# Altium PCB PCB.PcbDoc (continued)
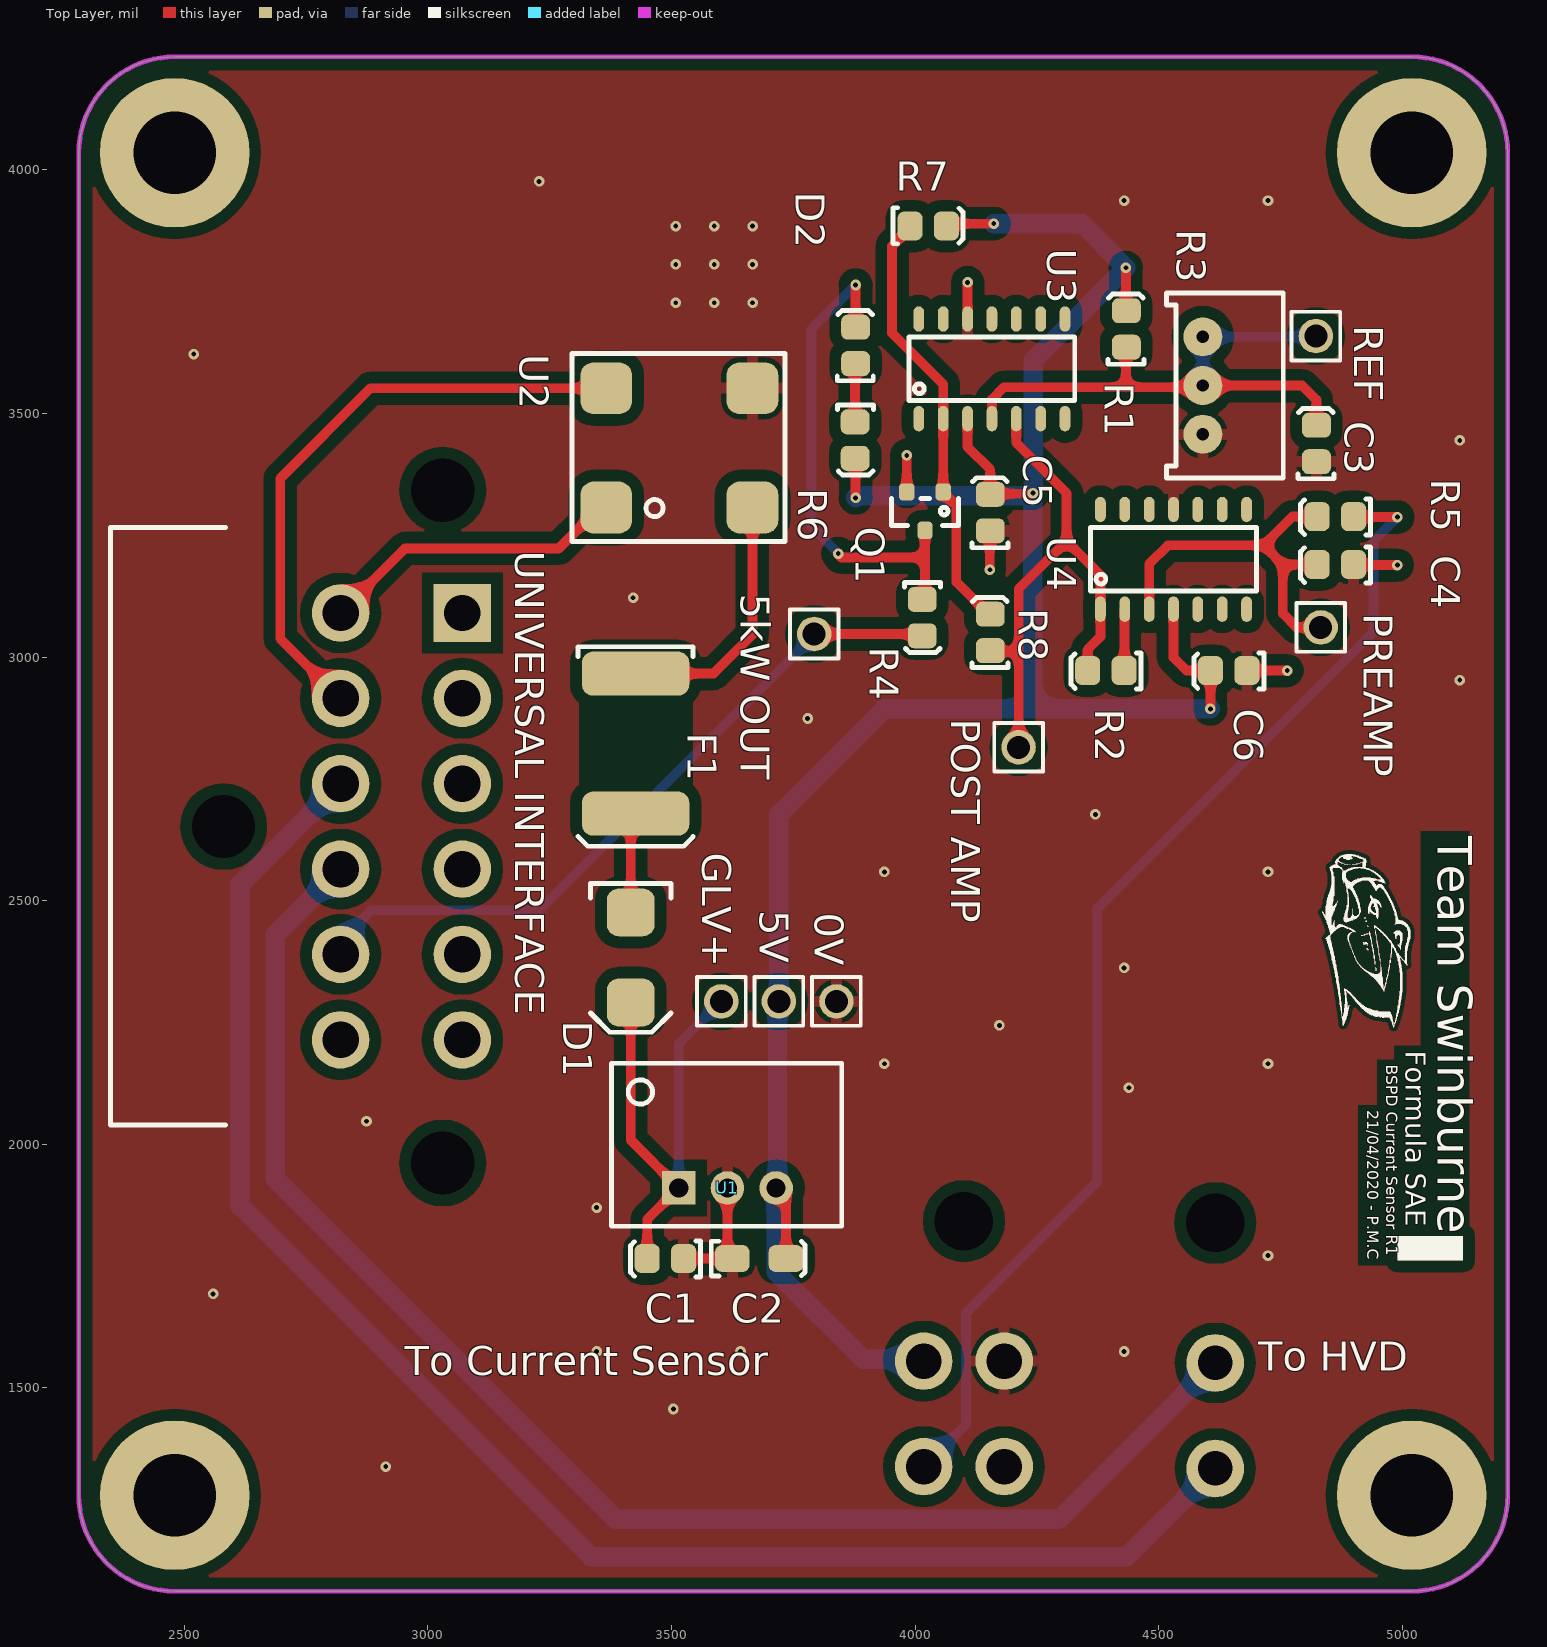
[diagram p0: Top Layer view]
## Nets (pads, with @x,y where several pads share a name; then routed paths per layer and width w, separated by ;. In a path a pad name is that pad's centre, name@x,y a point inside that pad or via, vN(x,y) a via of type N, cw(c..) or ccw(c..) an arc to the next point about the centre after c; other vN are vias at no path point) (continued)
"Green In": "To HVD.2" "UNIVERSAL INTERFACE.10" | length 3327.2
  Bottom Layer w40: 2820.87,2740.16 2614.17,2533.46 2614.17,1874.02 3334.65,1153.54 4435.04,1153.54 4616.14,1334.65
"Green Out": "To HVD.1" "UNIVERSAL INTERFACE.9" | length 3042.8
  Bottom Layer w40: 2820.87,2564.96 2687.01,2431.1 2687.01,1929.13 3385.83,1230.32 4295.28,1230.32 4616.14,1551.18
"High Sensitivity": "To Current Sensor.2" R5.1 | length 2442.1
  Top Layer w20: R5.1 4901.11,3287.4 v1(4990.16,3287.4)
  Bottom Layer w20: 4017.72,1338.58 4104.33,1425.2 4104.33,1653.54 4374.02,1923.23 4374.02,2484.25 4940.94,3051.18 4940.94,3238.19 v1(4990.16,3287.4)
"Low Sensitivity": "To Current Sensor.4"
NetC1_2: C1.2 D1.K GLV+.1 U1.1 | length 1012.2
  Top Layer w20: D1.K 3416.46,2008.98 U1.1 3450.08,1845.75 C1.2
  Bottom Layer w20: U1.1 3514.88,2205.83 GLV+.1
NetC3_2: C3.2 R1.1 R3.1 R3.2 REF.1 U3.4 | length 1197
  Top Layer w20: U3.4 4157.8,3529.05 4182.8,3554.05 4432.8,3554.05 ; R1.1 4432.8,3635.15 4432.8,3554.05 ; C3.2 4823.83,3528.02 4794.4,3557.45 R3.2 4587.4,3554.05 4432.8,3554.05
  Bottom Layer w20: R3.2 R3.1 4821.19,3657.45 REF.1
NetC4_2: C4.2 PREAMP.1 R5.2 U4.3 | length 793.8
  Top Layer w20: U4.3 4480.47,3191.1 4518.75,3229.38 4715.6,3229.38 ; C4.2 4754.97,3190.01 ; R5.2 4774.65,3288.43 4715.6,3229.38 ; PREAMP.1 4783.46,3061.02 4754.97,3089.52 4754.97,3190.01 ; 4715.6,3229.38 4754.97,3190.01
NetD1_A: D1.A F1.2 | length 206.7
  Top Layer w20: D1.A 3416.46,2668.74 F1.2
NetD2_A: D2.A R6.1 | length 120
  Top Layer w20: R6.1 3876.92,3601.33 D2.A
NetD2_K: D2.K Q1.D R4.1 | length 1024.5
  Top Layer w20: v1(3842.52,3212.6) 3842.52,3210.58 3848.38,3204.72 4020.39,3204.72 ; D2.K v1(3877.95,3763.78) ; R4.1 4020.39,3124.26 4020.39,3204.72 ; Q1.D 4020.39,3204.72
  Bottom Layer w20: v1(3842.52,3212.6) 3787.4,3267.72 3787.4,3673.23 v1(3877.95,3763.78)
NetF1_1: F1.1 U2.2 | length 533.8
  Top Layer w20: F1.1 3586.22,2966.14 3666.14,3046.06 U2.2
"NetPOST AMP_1": "POST AMP.1" R2.2 R8.1 U3.5 U4.1 | length 1121.9
  Top Layer w20: R8.1 4156.07,3011.81 4212.6,3011.81 ; U3.5 4207.8,3439.84 4311.02,3336.61 4311.02,3238.19 ; 4212.6,2814.96 4212.6,3011.81 ; R2.2 4354.33,3015.75 4380.47,3041.89 U4.1 4380.47,3168.74 4311.02,3238.19 ; 4212.6,3011.81 4212.6,3139.76 4311.02,3238.19
NetQ1_G: Q1.G R7.1 R8.2 U3.2 | length 897.9
  Top Layer w20: R7.1 3989.69,3880.86 3952.76,3843.92 3952.76,3665.35 4057.8,3560.31 U3.2 Q1.G 4057.8,3337.09 4084.65,3310.24 4084.65,3154.1 4150.63,3088.11 R8.2
NetR2_1: R2.1 U4.2 | length 126.5
  Top Layer w20: R2.1 4429.8,2973.11 4429.8,3097.76 U4.2
pads on no net: "To Current Sensor." "To HVD." "UNIVERSAL INTERFACE.0" U3.1 U3.6 U3.7 U3.8 U3.9 U3.10 U3.11 U3.13 U3.14 U4.5 U4.6 U4.7 U4.8 U4.9 U4.10 U4.12 U4.13 U4.14

## Polygon pours and split planes (outlines as drawn)
0V on Bottom Layer "Bottom Layer-0V" (solid, remove dead copper, pour order 6): 2204.72,4232.28 5216.54,4232.28 5216.54,1082.68 2204.72,1082.68
no net on Bottom Layer "Bottom Layer-No Net" (solid, pour order 0): 10085,4250
0V on Top Layer "Top Layer-0V" (solid, remove dead copper, pour order 8): 2204.72,4232.28 5216.54,4232.28 5216.54,1082.68 2204.72,1082.68

## Keep-outs
Keep-Out Layer:
  the board outline again, w10

## Other copper
Top Layer:
  region: 4990.16,1811.81 4990.16,1761.81 5125.16,1761.81 5125.16,1811.81
  region: 4976.03,2378.32 4976.03,2373.06 4975.37,2373.06 4975.37,2372.41 4974.71,2372.41 4974.71,2367.81 4974.06,2367.81 4974.06,2372.41 4974.71,2372.41 4974.71,2377.66 4975.37,2377.66 4975.37,2378.32 4976.03,2378.32 4976.03,2383.58 4976.68,2383.58 4976.68,2378.32
  region: 4929.37,2398.69 4928.71,2398.69 4928.71,2400.01 4928.05,2400.01 4928.05,2400.66 4927.4,2400.66 4927.4,2401.98 4928.05,2401.98 4928.05,2401.32 4928.71,2401.32 4928.71,2400.66 4929.37,2400.66 4929.37,2400.01 4930.02,2400.01 4930.02,2398.69
  region: 4970.11,2346.78 4970.11,2343.49 4969.45,2343.49 4969.45,2340.2 4968.8,2340.2 4968.8,2339.55 4968.14,2339.55 4968.14,2336.26 4967.48,2336.26 4967.48,2339.55 4968.14,2339.55 4968.14,2342.83 4968.8,2342.83 4968.8,2343.49 4969.45,2343.49 4969.45,2346.78 4970.11,2346.78 4970.11,2350.06 4970.77,2350.06 4970.77,2346.78
  region: 4928.71,2407.89 4928.71,2407.24 4928.05,2407.24 4928.05,2407.89 4928.71,2407.89 4928.71,2409.21 4929.37,2409.21 4929.37,2407.89
  region: 4945.8,2356.63 4945.8,2358.61 4945.14,2358.61 4945.14,2363.21 4945.8,2363.21 4945.8,2361.23 4946.45,2361.23 4946.45,2356.63
  region: 4973.4,2363.21 4973.4,2358.61 4972.74,2358.61 4972.74,2354.66 4972.08,2354.66 4971.43,2354.66 4971.43,2350.72 4970.77,2350.72 4970.77,2354.66 4971.43,2354.66 4971.43,2357.95 4972.08,2357.95 4972.08,2358.61 4972.74,2358.61 4972.74,2363.21 4973.4,2363.21 4973.4,2367.15 4974.06,2367.15 4974.06,2363.21
  region: 4928.05,2411.18 4928.05,2410.52 4927.4,2410.52 4927.4,2411.18 4928.05,2411.18 4928.05,2412.49 4928.71,2412.49 4928.71,2411.18
  region: 4926.08,2456.52 4926.08,2457.18 4925.42,2457.18 4925.42,2459.15 4926.08,2459.15 4926.08,2458.5 4926.74,2458.5 4926.74,2456.52
  region: 4929.37,2446.67 4928.71,2446.67 4928.71,2449.3 4929.37,2449.3 4929.37,2447.98 4930.02,2447.98 4930.02,2446.67
  region: 4924.11,2430.89 4924.11,2430.24 4923.45,2430.24 4922.8,2430.24 4922.8,2429.58 4922.14,2429.58 4921.48,2429.58 4921.48,2428.92 4920.82,2428.92 4920.17,2428.92 4919.51,2428.92 4918.85,2428.92 4918.2,2428.92 4918.2,2428.27 4917.54,2428.27 4916.88,2428.27 4916.22,2428.27 4916.22,2428.92 4915.57,2428.92 4914.91,2428.92 4914.25,2428.92 4913.6,2428.92 4912.94,2428.92 4912.28,2428.92 4912.28,2429.58 4912.94,2429.58 4913.6,2429.58 4914.25,2429.58 4914.91,2429.58 4915.57,2429.58 4916.22,2429.58 4916.88,2429.58 4917.54,2429.58 4918.2,2429.58 4918.85,2429.58 4919.51,2429.58 4920.17,2429.58 4920.82,2429.58 4920.82,2430.24 4921.48,2430.24 4922.14,2430.24 4922.14,2430.89 4922.8,2430.89 4923.45,2430.89 4924.11,2430.89 4924.11,2431.55 4924.77,2431.55 4924.77,2430.89
  region: 4923.45,2463.1 4923.45,2465.07 4922.8,2465.07 4922.8,2465.72 4923.45,2465.72 4924.11,2465.72 4924.11,2463.1
  region: 4991.8,2407.89 4991.8,2408.55 4991.14,2408.55 4991.14,2409.21 4991.8,2409.21 4992.46,2409.21 4992.46,2407.89
  region: 4966.83,2332.32 4966.83,2329.69 4966.17,2329.69 4966.17,2326.4 4965.51,2326.4 4965.51,2325.75 4964.85,2325.75 4964.85,2322.46 4964.2,2322.46 4964.2,2320.49 4963.54,2320.49 4963.54,2322.46 4964.2,2322.46 4964.2,2325.75 4964.85,2325.75 4964.85,2328.38 4965.51,2328.38 4965.51,2329.69 4966.17,2329.69 4966.17,2332.32 4966.83,2332.32 4966.83,2335.6 4967.48,2335.6 4967.48,2332.32
  region: 191 vertices and 1 holes, not listed, extent 4930.68,2463.1 4956.97,2511.07
  region: 4926.08,2411.84 4925.42,2411.84 4924.77,2411.84 4924.77,2410.52 4924.11,2410.52 4924.11,2413.15 4923.45,2413.15 4922.8,2413.15 4922.14,2413.15 4922.14,2409.21 4921.48,2409.21 4921.48,2411.18 4920.82,2411.18 4920.82,2412.49 4920.17,2412.49 4920.17,2413.81 4919.51,2413.81 4919.51,2414.47 4920.17,2414.47 4920.82,2414.47 4920.82,2413.81 4921.48,2413.81 4922.14,2413.81 4922.8,2413.81 4923.45,2413.81 4924.11,2413.81 4924.11,2414.47 4924.77,2414.47 4924.77,2415.12 4925.42,2415.12 4926.08,2415.12 4926.08,2414.47 4926.74,2414.47 4926.74,2411.84
  region: 4943.83,2369.78 4943.83,2375.04 4943.17,2375.04 4943.17,2380.95 4942.51,2380.95 4942.51,2381.61 4941.85,2381.61 4941.85,2386.86 4941.2,2386.86 4941.2,2392.12 4940.54,2392.12 4940.54,2396.72 4939.88,2396.72 4939.88,2401.32 4939.23,2401.32 4939.23,2403.29 4938.57,2403.29 4938.57,2406.58 4937.91,2406.58 4937.91,2410.52 4937.25,2410.52 4937.25,2414.47 4936.6,2414.47 4936.6,2418.41 4935.94,2418.41 4935.94,2419.72 4935.28,2419.72 4935.28,2422.35 4934.62,2422.35 4934.62,2425.64 4933.97,2425.64 4933.97,2427.61 4933.31,2427.61 4933.31,2430.24 4932.65,2430.24 4932.65,2430.89 4932,2430.89 4931.34,2430.89 4931.34,2431.55 4930.68,2431.55 4930.02,2431.55 4929.37,2431.55 4928.71,2431.55 4928.05,2431.55 4927.4,2431.55 4926.74,2431.55 4926.08,2431.55 4926.08,2432.21 4926.74,2432.21 4927.4,2432.21 4928.05,2432.21 4928.71,2432.21 4929.37,2432.21 4930.02,2432.21 4930.68,2432.21 4931.34,2432.21 4932,2432.21 4932.65,2432.21 4932.65,2434.18 4932,2434.18 4932,2436.81 4932.65,2436.81 4932.65,2436.15 4933.31,2436.15 4933.31,2433.52 4933.97,2433.52 4933.97,2430.24 4934.62,2430.24 4934.62,2426.95 4935.28,2426.95 4935.28,2424.32 4935.94,2424.32 4935.94,2422.35 4936.6,2422.35 4936.6,2419.07 4937.25,2419.07 4937.25,2415.78 4937.91,2415.78 4937.91,2411.18 4938.57,2411.18 4938.57,2407.89 4939.23,2407.89 4939.23,2406.58 4939.88,2406.58 4939.88,2402.64 4940.54,2402.64 4940.54,2398.04 4941.2,2398.04 4941.2,2393.44 4941.85,2393.44 4941.85,2388.84 4942.51,2388.84 4942.51,2386.86 4943.17,2386.86 4943.17,2381.61 4943.83,2381.61 4943.83,2375.69 4944.48,2375.69 4944.48,2369.78
  region: 615 vertices and 0 holes, not listed, extent 4876.14,2240.32 4983.91,2319.83
  region: 4999.68,2421.04 4999.68,2417.75 4999.03,2417.75 4999.03,2413.81 4998.37,2413.81 4997.71,2413.81 4997.71,2409.21 4997.06,2409.21 4997.06,2400.66 4996.4,2400.66 4996.4,2402.64 4995.74,2402.64 4995.74,2403.29 4995.08,2403.29 4995.08,2403.95 4994.43,2403.95 4994.43,2405.26 4993.77,2405.26 4993.77,2405.92 4993.11,2405.92 4993.11,2407.24 4993.77,2407.24 4993.77,2406.58 4994.43,2406.58 4994.43,2408.55 4995.08,2408.55 4995.08,2409.21 4994.43,2409.21 4994.43,2411.18 4995.08,2411.18 4995.08,2413.15 4995.74,2413.15 4995.74,2421.04 4996.4,2421.04 4996.4,2424.98 4995.74,2424.98 4995.74,2428.27 4995.08,2428.27 4994.43,2428.27 4994.43,2428.92 4993.77,2428.92 4993.77,2429.58 4993.11,2429.58 4992.46,2429.58 4991.8,2429.58 4991.14,2429.58 4990.48,2429.58 4989.83,2429.58 4989.83,2428.92 4989.17,2428.92 4989.17,2428.27 4988.51,2428.27 4988.51,2427.61 4987.86,2427.61 4987.86,2426.29 4987.2,2426.29 4987.2,2422.35 4986.54,2422.35 4986.54,2424.98 4985.88,2424.98 4985.88,2431.55 4985.23,2431.55 4985.23,2432.21 4984.57,2432.21 4984.57,2432.87 4983.91,2432.87 4983.26,2432.87 4982.6,2432.87 4981.94,2432.87 4981.94,2433.52 4982.6,2433.52 4982.6,2434.18 4983.26,2434.18 4983.26,2434.84 4983.91,2434.84 4983.91,2435.49 4984.57,2435.49 4984.57,2436.15 4985.23,2436.15 4985.23,2436.81 4985.88,2436.81 4985.88,2437.47 4986.54,2437.47 4987.2,2437.47 4987.2,2438.12 4987.86,2438.12 4988.51,2438.12 4989.17,2438.12 4989.17,2438.78 4989.83,2438.78 4990.48,2438.78 4991.14,2438.78 4991.8,2438.78 4992.46,2438.78 4993.11,2438.78 4993.77,2438.78 4993.77,2438.12 4994.43,2438.12 4995.08,2438.12 4995.08,2437.47 4995.74,2437.47 4996.4,2437.47 4996.4,2436.15 4997.06,2436.15 4997.06,2435.49 4997.71,2435.49 4997.71,2434.84 4998.37,2434.84 4998.37,2434.18 4999.03,2434.18 4999.03,2432.87 4999.68,2432.87 4999.68,2430.89 5000.34,2430.89 5000.34,2421.04
  region: 1693 vertices and 5 holes, not listed, extent 4836.05,2246.23 5016.77,2595.19
  pour cut-out: 3311.02,3011.81 3311.02,2637.8 3543.31,2637.8 3543.31,3011.81
  text "Team Swinburne" at 5049.09,2632.45 h120 r270
  text "Formula SAE" at 4994.09,2192.45 h70 r270
  text "BSPD Current Sensor R1" at 4959.09,2163.26 h40 r270
  text "21/04/2020 - P.M.C" at 4920.16,2070.43 h40 r270
Bottom Layer:
  region: 4990.16,1811.81 4990.16,1761.81 5125.16,1761.81 5125.16,1811.81
  region: 1693 vertices and 5 holes, not listed, extent 4836.05,2246.23 5016.77,2595.19
  region: 615 vertices and 0 holes, not listed, extent 4876.14,2240.32 4983.91,2319.83
  region: 191 vertices and 1 holes, not listed, extent 4930.68,2463.1 4956.97,2511.07
  region: 4943.83,2369.78 4943.83,2375.04 4943.17,2375.04 4943.17,2380.95 4942.51,2380.95 4942.51,2381.61 4941.85,2381.61 4941.85,2386.86 4941.2,2386.86 4941.2,2392.12 4940.54,2392.12 4940.54,2396.72 4939.88,2396.72 4939.88,2401.32 4939.23,2401.32 4939.23,2403.29 4938.57,2403.29 4938.57,2406.58 4937.91,2406.58 4937.91,2410.52 4937.25,2410.52 4937.25,2414.47 4936.6,2414.47 4936.6,2418.41 4935.94,2418.41 4935.94,2419.72 4935.28,2419.72 4935.28,2422.35 4934.62,2422.35 4934.62,2425.64 4933.97,2425.64 4933.97,2427.61 4933.31,2427.61 4933.31,2430.24 4932.65,2430.24 4932.65,2430.89 4932,2430.89 4931.34,2430.89 4931.34,2431.55 4930.68,2431.55 4930.02,2431.55 4929.37,2431.55 4928.71,2431.55 4928.05,2431.55 4927.4,2431.55 4926.74,2431.55 4926.08,2431.55 4926.08,2432.21 4926.74,2432.21 4927.4,2432.21 4928.05,2432.21 4928.71,2432.21 4929.37,2432.21 4930.02,2432.21 4930.68,2432.21 4931.34,2432.21 4932,2432.21 4932.65,2432.21 4932.65,2434.18 4932,2434.18 4932,2436.81 4932.65,2436.81 4932.65,2436.15 4933.31,2436.15 4933.31,2433.52 4933.97,2433.52 4933.97,2430.24 4934.62,2430.24 4934.62,2426.95 4935.28,2426.95 4935.28,2424.32 4935.94,2424.32 4935.94,2422.35 4936.6,2422.35 4936.6,2419.07 4937.25,2419.07 4937.25,2415.78 4937.91,2415.78 4937.91,2411.18 4938.57,2411.18 4938.57,2407.89 4939.23,2407.89 4939.23,2406.58 4939.88,2406.58 4939.88,2402.64 4940.54,2402.64 4940.54,2398.04 4941.2,2398.04 4941.2,2393.44 4941.85,2393.44 4941.85,2388.84 4942.51,2388.84 4942.51,2386.86 4943.17,2386.86 4943.17,2381.61 4943.83,2381.61 4943.83,2375.69 4944.48,2375.69 4944.48,2369.78
  region: 4966.83,2332.32 4966.83,2329.69 4966.17,2329.69 4966.17,2326.4 4965.51,2326.4 4965.51,2325.75 4964.85,2325.75 4964.85,2322.46 4964.2,2322.46 4964.2,2320.49 4963.54,2320.49 4963.54,2322.46 4964.2,2322.46 4964.2,2325.75 4964.85,2325.75 4964.85,2328.38 4965.51,2328.38 4965.51,2329.69 4966.17,2329.69 4966.17,2332.32 4966.83,2332.32 4966.83,2335.6 4967.48,2335.6 4967.48,2332.32
  region: 4999.68,2421.04 4999.68,2417.75 4999.03,2417.75 4999.03,2413.81 4998.37,2413.81 4997.71,2413.81 4997.71,2409.21 4997.06,2409.21 4997.06,2400.66 4996.4,2400.66 4996.4,2402.64 4995.74,2402.64 4995.74,2403.29 4995.08,2403.29 4995.08,2403.95 4994.43,2403.95 4994.43,2405.26 4993.77,2405.26 4993.77,2405.92 4993.11,2405.92 4993.11,2407.24 4993.77,2407.24 4993.77,2406.58 4994.43,2406.58 4994.43,2408.55 4995.08,2408.55 4995.08,2409.21 4994.43,2409.21 4994.43,2411.18 4995.08,2411.18 4995.08,2413.15 4995.74,2413.15 4995.74,2421.04 4996.4,2421.04 4996.4,2424.98 4995.74,2424.98 4995.74,2428.27 4995.08,2428.27 4994.43,2428.27 4994.43,2428.92 4993.77,2428.92 4993.77,2429.58 4993.11,2429.58 4992.46,2429.58 4991.8,2429.58 4991.14,2429.58 4990.48,2429.58 4989.83,2429.58 4989.83,2428.92 4989.17,2428.92 4989.17,2428.27 4988.51,2428.27 4988.51,2427.61 4987.86,2427.61 4987.86,2426.29 4987.2,2426.29 4987.2,2422.35 4986.54,2422.35 4986.54,2424.98 4985.88,2424.98 4985.88,2431.55 4985.23,2431.55 4985.23,2432.21 4984.57,2432.21 4984.57,2432.87 4983.91,2432.87 4983.26,2432.87 4982.6,2432.87 4981.94,2432.87 4981.94,2433.52 4982.6,2433.52 4982.6,2434.18 4983.26,2434.18 4983.26,2434.84 4983.91,2434.84 4983.91,2435.49 4984.57,2435.49 4984.57,2436.15 4985.23,2436.15 4985.23,2436.81 4985.88,2436.81 4985.88,2437.47 4986.54,2437.47 4987.2,2437.47 4987.2,2438.12 4987.86,2438.12 4988.51,2438.12 4989.17,2438.12 4989.17,2438.78 4989.83,2438.78 4990.48,2438.78 4991.14,2438.78 4991.8,2438.78 4992.46,2438.78 4993.11,2438.78 4993.77,2438.78 4993.77,2438.12 4994.43,2438.12 4995.08,2438.12 4995.08,2437.47 4995.74,2437.47 4996.4,2437.47 4996.4,2436.15 4997.06,2436.15 4997.06,2435.49 4997.71,2435.49 4997.71,2434.84 4998.37,2434.84 4998.37,2434.18 4999.03,2434.18 4999.03,2432.87 4999.68,2432.87 4999.68,2430.89 5000.34,2430.89 5000.34,2421.04
  region: 4991.8,2407.89 4991.8,2408.55 4991.14,2408.55 4991.14,2409.21 4991.8,2409.21 4992.46,2409.21 4992.46,2407.89
  region: 4973.4,2363.21 4973.4,2358.61 4972.74,2358.61 4972.74,2354.66 4972.08,2354.66 4971.43,2354.66 4971.43,2350.72 4970.77,2350.72 4970.77,2354.66 4971.43,2354.66 4971.43,2357.95 4972.08,2357.95 4972.08,2358.61 4972.74,2358.61 4972.74,2363.21 4973.4,2363.21 4973.4,2367.15 4974.06,2367.15 4974.06,2363.21
  region: 4945.8,2356.63 4945.8,2358.61 4945.14,2358.61 4945.14,2363.21 4945.8,2363.21 4945.8,2361.23 4946.45,2361.23 4946.45,2356.63
  region: 4970.11,2346.78 4970.11,2343.49 4969.45,2343.49 4969.45,2340.2 4968.8,2340.2 4968.8,2339.55 4968.14,2339.55 4968.14,2336.26 4967.48,2336.26 4967.48,2339.55 4968.14,2339.55 4968.14,2342.83 4968.8,2342.83 4968.8,2343.49 4969.45,2343.49 4969.45,2346.78 4970.11,2346.78 4970.11,2350.06 4970.77,2350.06 4970.77,2346.78
  region: 4976.03,2378.32 4976.03,2373.06 4975.37,2373.06 4975.37,2372.41 4974.71,2372.41 4974.71,2367.81 4974.06,2367.81 4974.06,2372.41 4974.71,2372.41 4974.71,2377.66 4975.37,2377.66 4975.37,2378.32 4976.03,2378.32 4976.03,2383.58 4976.68,2383.58 4976.68,2378.32
  region: 4928.05,2411.18 4928.05,2410.52 4927.4,2410.52 4927.4,2411.18 4928.05,2411.18 4928.05,2412.49 4928.71,2412.49 4928.71,2411.18
  region: 4926.08,2411.84 4925.42,2411.84 4924.77,2411.84 4924.77,2410.52 4924.11,2410.52 4924.11,2413.15 4923.45,2413.15 4922.8,2413.15 4922.14,2413.15 4922.14,2409.21 4921.48,2409.21 4921.48,2411.18 4920.82,2411.18 4920.82,2412.49 4920.17,2412.49 4920.17,2413.81 4919.51,2413.81 4919.51,2414.47 4920.17,2414.47 4920.82,2414.47 4920.82,2413.81 4921.48,2413.81 4922.14,2413.81 4922.8,2413.81 4923.45,2413.81 4924.11,2413.81 4924.11,2414.47 4924.77,2414.47 4924.77,2415.12 4925.42,2415.12 4926.08,2415.12 4926.08,2414.47 4926.74,2414.47 4926.74,2411.84
  region: 4928.71,2407.89 4928.71,2407.24 4928.05,2407.24 4928.05,2407.89 4928.71,2407.89 4928.71,2409.21 4929.37,2409.21 4929.37,2407.89
  region: 4923.45,2463.1 4923.45,2465.07 4922.8,2465.07 4922.8,2465.72 4923.45,2465.72 4924.11,2465.72 4924.11,2463.1
  region: 4924.11,2430.89 4924.11,2430.24 4923.45,2430.24 4922.8,2430.24 4922.8,2429.58 4922.14,2429.58 4921.48,2429.58 4921.48,2428.92 4920.82,2428.92 4920.17,2428.92 4919.51,2428.92 4918.85,2428.92 4918.2,2428.92 4918.2,2428.27 4917.54,2428.27 4916.88,2428.27 4916.22,2428.27 4916.22,2428.92 4915.57,2428.92 4914.91,2428.92 4914.25,2428.92 4913.6,2428.92 4912.94,2428.92 4912.28,2428.92 4912.28,2429.58 4912.94,2429.58 4913.6,2429.58 4914.25,2429.58 4914.91,2429.58 4915.57,2429.58 4916.22,2429.58 4916.88,2429.58 4917.54,2429.58 4918.2,2429.58 4918.85,2429.58 4919.51,2429.58 4920.17,2429.58 4920.82,2429.58 4920.82,2430.24 4921.48,2430.24 4922.14,2430.24 4922.14,2430.89 4922.8,2430.89 4923.45,2430.89 4924.11,2430.89 4924.11,2431.55 4924.77,2431.55 4924.77,2430.89
  region: 4929.37,2446.67 4928.71,2446.67 4928.71,2449.3 4929.37,2449.3 4929.37,2447.98 4930.02,2447.98 4930.02,2446.67
  region: 4926.08,2456.52 4926.08,2457.18 4925.42,2457.18 4925.42,2459.15 4926.08,2459.15 4926.08,2458.5 4926.74,2458.5 4926.74,2456.52
  region: 4929.37,2398.69 4928.71,2398.69 4928.71,2400.01 4928.05,2400.01 4928.05,2400.66 4927.4,2400.66 4927.4,2401.98 4928.05,2401.98 4928.05,2401.32 4928.71,2401.32 4928.71,2400.66 4929.37,2400.66 4929.37,2400.01 4930.02,2400.01 4930.02,2398.69
  text "Team Swinburne" at 5049.09,2632.45 h120 r270
  text "Formula SAE" at 4994.09,2192.45 h70 r270
  text "BSPD Current Sensor R1" at 4959.09,2163.26 h40 r270
  text "21/04/2020 - P.M.C" at 4920.16,2070.43 h40 r270

## Silkscreen, mask and mechanical layers (free items; w line width, h text height)
Top Overlay:
  drawing of 20 lines, arcs and shapes, not listed
  text "Team Swinburne" at 5049.09,2632.45 h120 r270
  text "Formula SAE" at 4994.09,2192.45 h70 r270
  text "BSPD Current Sensor R1" at 4959.09,2163.26 h40 r270
  text "21/04/2020 - P.M.C" at 4920.16,2070.43 h40 r270
Drill Drawing:
  circle w10: c1242.36,6457.88 r20
  circle w10: c1242.36,6457.88 r33.33
  circle w10: c1242.36,5857.88 r33.33
  lines w10: 1209.02,5141.21 1275.69,5141.21 1242.36,5074.55 1209.02,5141.21 ; 1209.02,5291.21 1275.69,5291.21 1242.36,5224.55 1209.02,5291.21 ; 1209.02,5374.55 1275.69,5374.55 1275.69,5441.21 1209.02,5441.21 1209.02,5374.55 ; 1209.02,5524.55 1275.69,5524.55 1275.69,5591.21 1209.02,5591.21 1209.02,5524.55 ; 1209.02,5674.55 1209.02,5691.21 1225.69,5707.88 1209.02,5724.55 1209.02,5741.21 1225.69,5741.21 1242.36,5724.55 1259.02,5741.21 1275.69,5741.21 1275.69,5724.55 1259.02,5707.88 1275.69,5691.21 1275.69,5674.55 1259.02,5674.55 1242.36,5691.21 1225.69,5674.55 1209.02,5674.55 ; 1209.02,5991.21 1225.69,5991.21 1242.36,5974.55 1259.02,5991.21 1275.69,5991.21 1259.02,6007.88 1275.69,6024.55 1259.02,6024.55 1242.36,6041.21 1225.69,6024.55 1209.02,6024.55 1225.69,6007.88 1209.02,5991.21 ; 1209.02,6124.55 1242.36,6141.21 1275.69,6124.55 1259.02,6157.88 1275.69,6191.21 1242.36,6174.55 1209.02,6191.21 1225.69,6157.88 1209.02,6124.55 ; 1209.02,6291.21 1225.69,6291.21 1225.69,6274.55 1259.02,6274.55 1259.02,6291.21 1275.69,6291.21 1275.69,6324.55 1259.02,6324.55 1259.02,6341.21 1225.69,6341.21 1225.69,6324.55 1209.02,6324.55 1209.02,6291.21 ; 1222.36,5127.88 1262.36,5127.88 1242.36,5087.88 1222.36,5127.88 ; 1222.36,5537.88 1262.36,5537.88 1262.36,5577.88 1222.36,5577.88 1222.36,5537.88
  lines w15: 1149.23,5029.55 13903.67,5029.55 ; 1149.23,6529.55 13903.67,6529.55 ; 1700.11,4879.55 1700.11,6679.55 ; 2239.97,4879.55 2239.97,6679.55 ; 3389.63,4879.55 3389.63,6679.55 ; 3895.51,4879.55 3895.51,6679.55 ; 4629.31,4879.55 4629.31,6679.55 ; 6128.86,4879.55 6128.86,6679.55 ; 6718.71,4879.55 6718.71,6679.55 ; 7464.51,4879.55 7464.51,6679.55 ; 8114.34,4879.55 8114.34,6679.55 ; 8968.1,4879.55 8968.1,6679.55 ; 10301.71,4879.55 10301.71,6679.55 ; 11635.32,4879.55 11635.32,6679.55 ; 12501.07,4879.55 12501.07,6679.55 ; 1149.23,4879.55 13903.67,4879.55 13903.67,6679.55 1149.23,6679.55 1149.23,4879.55
  text "Symbol" at 1239.23,6574.55 h72
  text "Count" at 1745.11,6574.55 h72
  text "Hole Size" at 2284.97,6574.55 h72
  text "Plated" at 3434.63,6574.55 h72
  text "Hole Type" at 3940.51,6574.55 h72
  text "Drill Layer Pair" at 4674.31,6574.55 h72
  text "Via/Pad" at 6173.86,6574.55 h72
  text "Pad Shape" at 6763.71,6574.55 h72
  text "Template" at 7509.51,6574.55 h72
  text "Description" at 8159.34,6574.55 h72
  text "Hole Tolerance (+)" at 9013.1,6574.55 h72
  text "Hole Tolerance (-)" at 10346.71,6574.55 h72
  text "Hole Length" at 11680.32,6574.55 h72
  text "Routed Path Length" at 12546.07,6574.55 h72
  text "2" at 1745.11,6424.55 h60
  text "70.87mil (1.800mm)" at 2284.97,6424.55 h60
  text "PTH" at 3434.63,6424.55 h60
  text "Round" at 3940.51,6424.55 h60
  text "Top Layer - Bottom Layer" at 4674.31,6424.55 h60
  text "Pad" at 6173.86,6424.55 h60
  text "Rounded" at 6763.71,6424.55 h60
  text "c300h180" at 7509.51,6424.55 h60
  text "-" at 11680.32,6424.55 h60
  text "-" at 12546.07,6424.55 h60
  text "2" at 1745.11,6274.55 h60
  text "120.08mil (3.050mm)" at 2284.97,6274.55 h60
  text "PTH" at 3434.63,6274.55 h60
  text "Round" at 3940.51,6274.55 h60
  text "Top Layer - Bottom Layer" at 4674.31,6274.55 h60
  text "Pad" at 6173.86,6274.55 h60
  text "Rounded" at 6763.71,6274.55 h60
  text "c152h305" at 7509.51,6274.55 h60
  text "-" at 11680.32,6274.55 h60
  text "-" at 12546.07,6274.55 h60
  text "3" at 1745.11,6124.55 h60
  text "25.20mil (0.640mm)" at 2284.97,6124.55 h60
  text "PTH" at 3434.63,6124.55 h60
  text "Round" at 3940.51,6124.55 h60
  text "Top Layer - Bottom Layer" at 4674.31,6124.55 h60
  text "Pad" at 6173.86,6124.55 h60
  text "Rounded" at 6763.71,6124.55 h60
  text "c203h64" at 7509.51,6124.55 h60
  text "-" at 11680.32,6124.55 h60
  text "-" at 12546.07,6124.55 h60
  text "3" at 1745.11,5974.55 h60
  text "39.37mil (1.000mm)" at 2284.97,5974.55 h60
  text "PTH" at 3434.63,5974.55 h60
  text "Round" at 3940.51,5974.55 h60
  text "Top Layer - Bottom Layer" at 4674.31,5974.55 h60
  text "Pad" at 6173.86,5974.55 h60
  text "(Mixed)" at 6763.71,5974.55 h60
  text "(Mixed)" at 7509.51,5974.55 h60
  text "-" at 11680.32,5974.55 h60
  text "-" at 12546.07,5974.55 h60
  text "3" at 1745.11,5824.55 h60
  text "129.92mil (3.300mm)" at 2284.97,5824.55 h60
  text "NPTH" at 3434.63,5824.55 h60
  text "Round" at 3940.51,5824.55 h60
  text "Top Layer - Bottom Layer" at 4674.31,5824.55 h60
  text "Pad" at 6173.86,5824.55 h60
  text "Rounded" at 6763.71,5824.55 h60
  text "c300hn330" at 7509.51,5824.55 h60
  text "-" at 11680.32,5824.55 h60
  text "-" at 12546.07,5824.55 h60
  text "4" at 1745.11,5674.55 h60
  text "72.84mil (1.850mm)" at 2284.97,5674.55 h60
  text "PTH" at 3434.63,5674.55 h60
  text "Round" at 3940.51,5674.55 h60
  text "Top Layer - Bottom Layer" at 4674.31,5674.55 h60
  text "Pad" at 6173.86,5674.55 h60
  text "Rounded" at 6763.71,5674.55 h60
  text "c300h185" at 7509.51,5674.55 h60
  text "-" at 11680.32,5674.55 h60
  text "-" at 12546.07,5674.55 h60
  text "4" at 1745.11,5524.55 h60
  text "169.29mil (4.300mm)" at 2284.97,5524.55 h60
  text "PTH" at 3434.63,5524.55 h60
  text "Round" at 3940.51,5524.55 h60
  text "Top Layer - Bottom Layer" at 4674.31,5524.55 h60
  text "Pad" at 6173.86,5524.55 h60
  text "Rounded" at 6763.71,5524.55 h60
  text "c780h430" at 7509.51,5524.55 h60
  text "-" at 11680.32,5524.55 h60
  text "-" at 12546.07,5524.55 h60
  text "7" at 1745.11,5374.55 h60
  text "47.24mil (1.200mm)" at 2284.97,5374.55 h60
  text "PTH" at 3434.63,5374.55 h60
  text "Round" at 3940.51,5374.55 h60
  text "Top Layer - Bottom Layer" at 4674.31,5374.55 h60
  text "Pad" at 6173.86,5374.55 h60
  text "Rounded" at 6763.71,5374.55 h60
  text "c180h120" at 7509.51,5374.55 h60
  text "-" at 11680.32,5374.55 h60
  text "-" at 12546.07,5374.55 h60
  text "12" at 1745.11,5224.55 h60
  text "74.80mil (1.900mm)" at 2284.97,5224.55 h60
  text "PTH" at 3434.63,5224.55 h60
  text "Round" at 3940.51,5224.55 h60
  text "Top Layer - Bottom Layer" at 4674.31,5224.55 h60
  text "Pad" at 6173.86,5224.55 h60
  text "(Mixed)" at 6763.71,5224.55 h60
  text "(Mixed)" at 7509.51,5224.55 h60
  text "-" at 11680.32,5224.55 h60
  text "-" at 12546.07,5224.55 h60
  text "47" at 1745.11,5074.55 h60
  text "9.84mil (0.250mm)" at 2284.97,5074.55 h60
  text "PTH" at 3434.63,5074.55 h60
  text "Round" at 3940.51,5074.55 h60
  text "Top Layer - Bottom Layer" at 4674.31,5074.55 h60
  text "Via" at 6173.86,5074.55 h60
  text "Rounded" at 6763.71,5074.55 h60
  text "(Mixed)" at 7509.51,5074.55 h60
  text "-" at 11680.32,5074.55 h60
  text "-" at 12546.07,5074.55 h60
  text "87 Total" at 1745.11,4924.55 h60
  text "FABRICATION NOTES" at 5620.45,4455.6 h118.11
  text "1. QUANTITY: 5" at 5620.45,4254.95 h118.11
  text "2. SIZE:" at 5620.45,4054.3 h118.11
  text "3. LAYERS: 4" at 5620.45,3853.66 h118.11
  text "4. SIGNAL LAYERS: 1,4" at 5620.45,3692.37 h118.11
  text "a) WEIGHT: 2oz" at 5817.3,3452.37 h118.11
  text "6. SOLDER MASKS: Blue" at 5620.45,3244.13 h118.11
  text "7. SILKSCREEN: White" at 5620.45,3043.48 h118.11
  text "8. SURFACE FINISH: HASL (With Lead)" at 5620.45,2842.84 h118.11
  text "9 FINISHED COPPER: 2oz Cu" at 5620.45,2642.19 h118.11
  text "10. TOTAL THICKNESS: 1.6mm" at 5620.45,2441.54 h118.11

## Dimensions
2480.31,4232.28 to 2480.31,1082.68 on Drill Drawing
2283.46,4035.43 to 5216.54,4035.43 on Drill Drawing